# Altium PCB AL1000.PcbDoc (part 6 of 8) (continued)
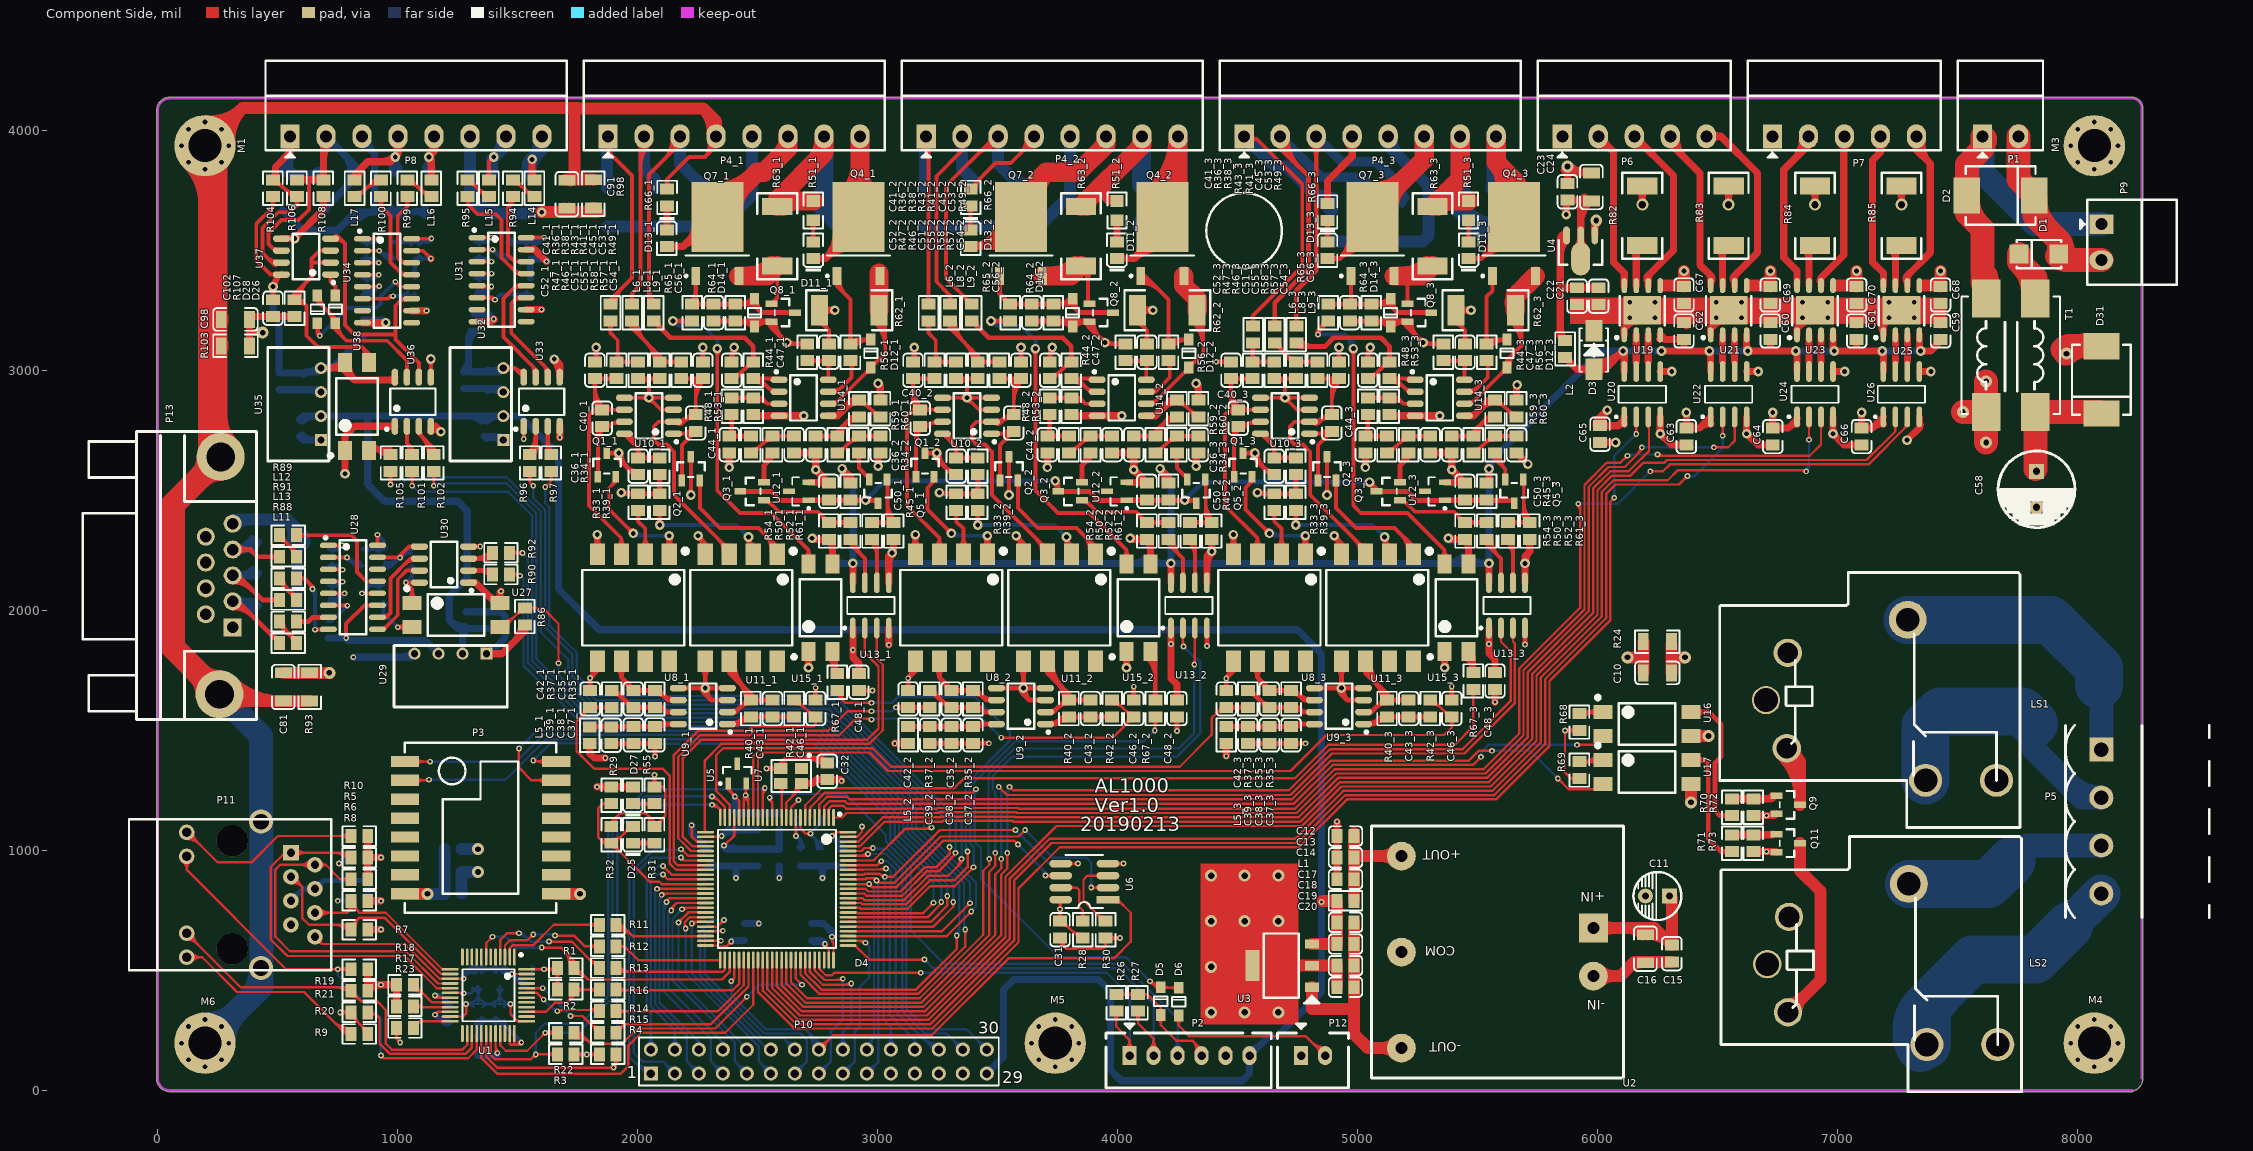
[diagram p0: Component Side view]
## Nets (pads, with @x,y where several pads share a name; then routed paths per layer and width w, separated by ;. In a path a pad name is that pad's centre, name@x,y a point inside that pad or via, vN(x,y) a via of type N, cw(c..) or ccw(c..) an arc to the next point about the centre after c; other vN are vias at no path point) (continued)
  Component Side w80: R62_3.2@5652.95,3278.98 cw(c5716.92,3278.98) 5671.69,3324.21 ; R62_3.2@5657.52,3251.42 5657.52,3310.04 Q4_3.3@5741.73,3394.25
NetD12_3_2: D12_3.2 Q4_3.1 R56_3.1 | length 653.5
  Component Side w16: R56_3.1@5527.46,3121.91 ccw(c5502.14,3147.23) 5537.95,3147.23 ccw(c5573.77,3147.23) R56_3.1@5548.44,3121.91 ; R56_3.1@5543.23,3112.24 cw(c5584.54,3071.26) 5584.54,3129.45 ; R56_3.1@5554.59,3100.97 cw(c5622.95,3033.16) D12_3.2@5622.95,3129.45 5560.98,3129.45 5542.95,3111.42 R56_3.1@5537.95,3111.42 5537.95,3307.95 5562.2,3332.2 Q4_3.1@5562.2,3394.25 ; Q4_3.1@5554.64,3367.98 cw(c5536.37,3349.72) 5562.2,3349.72 cw(c5588.04,3349.72) Q4_3.1@5569.77,3367.98 ; D12_3.2@5614.69,3121.19 ccw(c5594.74,3101.24) 5594.74,3129.45 ccw(c5594.74,3157.66) D12_3.2@5614.69,3137.71 ; D12_3.2@5622.95,3124.45 D12_3.2@5627.95,3124.45
NetD13_1_A: D13_1.A P4_1.6 Q7_1.4 | length 1337.9
  Component Side w30: D13_1.A@2121.77,3516.38 2187.87,3516.38 ; 2213.14,3541.65 ccw(c2151.92,3602.87) Q7_1.4@2238.5,3602.87 ; 2213.69,3542.2 cw(c2260.06,3495.83) Q7_1.4@2296.56,3550.31 ; Q7_1.4@2279.86,3525.39 ccw(c2239.35,3464.91) 2187.88,3516.38 ; Q7_1.4@2311.77,3640.28 2187.87,3516.38
  Component Side w80: Q7_1.4@2331.77,3640.28 2311.77,3640.28 2497.87,3826.38 2526.77,3826.38 2626.77,3926.38 P4_1.6@2626.77,3976.38 ; Q7_1.4@2331.77,3745.94 ccw(c2331.77,3952.77) 2478.02,3806.52 ; Q7_1.4@2400.04,3677.68 cw(c2522.84,3677.68) Q7_1.4@2436.01,3764.51 ; 2598.49,3898.09 ccw(c2530.2,3966.38) P4_1.6@2626.77,3966.38
NetD13_1_K: D13_1.K R66_1.1 | length 95.2
  Component Side w30: D13_1.K@2121.77,3586.46 2121.77,3680.73 R66_1.1@2122.46,3681.42
NetD13_2_A: D13_2.A P4_2.6 Q7_2.4 | length 1792
  Component Side w30: D13_2.A@3387.36,3516.38 3513.46,3516.38 Q7_2.4@3617.36,3620.28 ; D13_2.A@3387.36,3516.38 ccw(c3387.37,3635.65) Q7_2.4@3505.21,3617.26 ; 3422.41,3516.38 ccw(c3422.41,3630.18) Q7_2.4@3534.85,3612.63 ; 3457.46,3516.38 ccw(c3457.46,3624.71) Q7_2.4@3564.49,3608 ; Q7_2.4@3492.5,3516.38 ccw(c3492.5,3619.24) Q7_2.4@3594.13,3603.38 ; Q7_2.4@3527.55,3516.38 ccw(c3527.55,3613.77) Q7_2.4@3623.77,3598.75
  Component Side w80: Q7_2.4@3597.36,3640.28 3597.36,3722.36 3701.38,3826.38 ; Q7_2.4@3663.77,3693.5 cw(c3801.45,3726.29) 3701.37,3826.37 ; 3935.38,3925.38 ccw(c3894.38,3966.38) P4_2.6@3952.36,3966.38 ; P4_2.6@3952.36,3976.38 3952.36,3942.36 3836.38,3826.38 3701.38,3826.38
NetD13_2_K: D13_2.K R66_2.1 | length 207.8
  Component Side w16: D13_2.K@3376.87,3596.95 ccw(c3351.55,3622.27) 3387.36,3622.27 ccw(c3423.18,3622.27) D13_2.K@3397.85,3596.95 ; R66_2.1@3377.56,3675.89 cw(c3353.89,3652.22) 3387.36,3652.22 ; D13_2.K@3387.36,3586.46 3387.36,3680.73 R66_2.1@3388.05,3681.42 ; 3387.36,3648.91 cw(c3425.51,3648.91) R66_2.1@3398.54,3675.89
NetD13_3_A: D13_3.A P4_3.6 Q7_3.4 | length 1538.2
  Component Side w20: D13_3.A@4875,3466.34 4926.34,3466.34 ; D13_3.A@4890.18,3457.26 cw(c4912.09,3435.35) 4912.09,3466.34 cw(c4912.09,3497.32) D13_3.A@4890.18,3475.41 ; Q7_3.4@4965.87,3587.66 cw(c4826.82,3565.87) 4926.34,3466.34 ; Q7_3.4@4981.9,3521.9 cw(c5040.89,3462.92) Q7_3.4@5053.88,3545.32 ; Q7_3.4@4981.97,3521.97 ccw(c4922.99,3580.94) Q7_3.4@5005.39,3593.85 ; Q7_3.4@4982.95,3607.95 Q7_3.4@4982.95,3640.28 ; Q7_3.4@4985.63,3590.76 cw(c4874.91,3573.4) 4954.15,3494.15 cw(c5033.32,3414.93) Q7_3.4@5050.76,3525.56 ; Q7_3.4@5047.65,3505.81 ccw(c5025.75,3366.94) 4926.34,3466.34 ; Q7_3.4@5062.95,3640.28 5062.95,3602.95 4926.34,3466.34
  Component Side w80: Q7_3.4@5062.95,3745.94 ccw(c5062.95,3939.36) 5199.72,3802.6 ; Q7_3.4@5131.22,3677.68 cw(c5267.43,3677.68) Q7_3.4@5171.11,3773.99 ; Q7_3.4@5144.95,3747.83 5277.95,3880.83 P4_3.6@5277.95,3976.38
NetD13_3_K: D13_3.K R66_3.1 | length 186.9
  Component Side w20: D13_3.K@4865.92,3545.49 ccw(c4844.01,3567.4) 4875,3567.4 ccw(c4905.99,3567.4) D13_3.K@4884.08,3545.49 ; R66_3.1@4865.92,3616.89 cw(c4844.01,3594.98) 4875,3594.98 cw(c4905.99,3594.98) R66_3.1@4884.08,3616.89 ; D13_3.K@4875,3536.42 R66_3.1@4875,3625.96
NetD15_2: D15.2 L13.2 P13.3 | length 941
  Component Side w20: P13.3@312,2118.5 cw(c312,1999) 396.5,2083.5 ; P13.3@312,2138.5 cw(c312,2067.28) 362.36,2117.64 ; P13.3@312,2146 334,2146 436.14,2043.86 L13.2@507.95,2043.86 ; L13.2@498.88,2034.78 ccw(c476.97,2012.87) 476.97,2043.86 ccw(c476.97,2074.84) L13.2@498.88,2052.93
  Solder Side w30: P13.3@336.96,2145 ccw(c336.96,2228.47) 395.98,2169.45 cw(c339.38,2226.06) P13.3@339.38,2146 ; 363.91,2145 ccw(c363.91,2094.09) 327.91,2130.09 cw(c366.32,2091.68) 366.32,2146 cw(c366.32,2200.32) 327.91,2161.91 ccw(c368.73,2202.73) 368.73,2145 ; D15.2@405,2145 313,2145 P13.3@312,2146 411,2146 D15.2@420,2155
NetD16_2: D16.2 L12.2 P13.4 | length 758.8
  Component Side w20: P13.4@312,2254 386,2254 416.14,2223.86 L12.2@507.95,2223.86 ; P13.4@331.45,2234.55 cw(c378.39,2187.61) 378.39,2254 cw(c378.39,2320.39) P13.4@331.45,2273.45 ; L12.2@498.88,2214.78 ccw(c476.97,2192.87) 476.97,2223.86 ccw(c476.97,2254.84) L12.2@498.88,2232.93
  Solder Side w30: P13.4@327.91,2238.09 cw(c366.32,2199.68) 366.32,2254 cw(c366.32,2308.32) P13.4@327.91,2269.91 ; 364.33,2254 ccw(c364.33,2316.99) D16.2@418.69,2285.17 ; D16.2@392.6,2280.02 cw(c373.61,2269.39) 389,2254 ; D16.2@392.8,2300.32 cw(c312,2347.62) P13.4@312,2254 389,2254 ; D16.2@420,2285 389,2254
NetD17_2: D17.2 L11.2 P13.2 | length 741.6
  Component Side w20: P13.2@312,2010.5 cw(c312,1891.45) 396.18,1975.63 ; P13.2@312,2030.5 cw(c312,1959.74) 362.04,2009.77 ; P13.2@312,2038 333.81,2038 L11.2@507.95,1863.86 ; 475.63,1896.19 ccw(c507.95,1928.51) L11.2@507.95,1882.8
  Solder Side w16: P13.2@311.5,2038.5 P13.2@312,2038
  Solder Side w30: P13.2@312,2038 402,2038 D17.2@420,2020 ; P13.2@317.65,2038 cw(c317.65,1927.21) D17.2@395.98,2005.55 ; P13.2@327.91,2022.09 cw(c366.32,1983.68) 366.32,2038 cw(c366.32,2092.32) P13.2@327.91,2053.91
NetD18_2: D18.2 L15.2 P8.7 | length 458.8
  Component Side w16: L15.2@1369.51,3805.53 ccw(c1344.19,3830.85) 1380,3830.85 ccw(c1415.81,3830.85) L15.2@1390.49,3805.53 ; L15.2@1380,3795.04 1380,3870 ; v2@1388,3889.79 cw(c1360.68,3889.33) 1380,3870 ; v2@1399.79,3878 ccw(c1399.33,3850.68) 1380,3870 ; v2(1400,3890) 1380,3870
  Solder Side w50: D18.2@1392.99,3814.96 v2@1392.99,3880 ; v2@1401.5,3888.5 1451.18,3938.19 P8.7@1451.18,3976.38 ; v2@1405.64,3892.65 ccw(c1331.91,3966.38) P8.7@1436.18,3966.38
NetD19_2: D19.2 L14.2 P8.8 | length 625.6
  Component Side w30: L14.2@1560,3795.04 v2(1560,3880) ; 1560,3823.36 ccw(c1592.22,3823.36) L14.2@1569.44,3800.58
  Solder Side w50: D19.2@1542.99,3814.96 1542.99,3862.99 v2(1560,3880) ; D19.2@1542.99,3851.01 cw(c1588.99,3851.01) v2@1556.46,3883.54 ; D19.2@1553.43,3824.53 cw(c1671.47,3824.53) 1588,3908 ; P8.8@1586.41,3963.77 cw(c1492.76,3947.25) v2(1560,3880) ; P8.8@1601.18,3976.38 1601.18,3921.18 v2(1560,3880) ; v2(1560,3880) ccw(c1590.6,3849.39) 1552.24,3829.36 cw(c1590.6,3849.39) v2(1560,3880)
NetD20_2: D20.2 L17.2 P8.4 | length 747.4
  Component Side w30: L17.2@820,3795.04 820,3815 875,3870 970,3870 v2(990,3890) 1001.18,3901.18 P8.4@1001.18,3976.38 ; L17.2@833.94,3795.04 cw(c915.77,3795.04) 857.91,3852.91 ; 929.64,3870 ccw(c929.64,3950.36) 986.46,3893.54 ccw(c950.94,3929.06) P8.4@1001.18,3929.06 ; P8.4@983.5,3948.7 cw(c940.83,3906.02) 1001.18,3906.02 cw(c1061.54,3906.02) P8.4@1018.86,3948.7 ; v2@987.5,3894.33 ccw(c970.11,3924.46) 1003.71,3915.45
  Solder Side w30: D20.2@975.55,3845.12 ccw(c940.67,3880) 990,3880 ccw(c1039.33,3880) D20.2@1004.45,3845.12 ; D20.2@990,3821.1 v2(990,3890)
NetD21_2: D21.2 L16.2 P8.5 | length 525.6
  Component Side w30: v2@1126.46,3886.46 cw(c1093.79,3853.79) 1140,3853.79 ; v2@1126.46,3893.54 ccw(c1066.79,3953.21) P8.5@1151.18,3953.21 ; P8.5@1134.69,3947.59 cw(c1102.75,3911.18) 1151.18,3911.18 ; L16.2@1140,3795.04 1140,3880 v2(1130,3890) 1151.18,3911.18 ; P8.5@1151.18,3976.38 1151.18,3911.18 ; P8.5@1167.67,3947.59 ccw(c1199.61,3911.18) 1151.18,3911.18
  Solder Side w30: D21.2@1115.55,3845.12 ccw(c1080.67,3880) 1130,3880 ccw(c1179.33,3880) D21.2@1144.45,3845.12 ; D21.2@1130,3821.1 v2(1130,3890)
NetD22_1: D22.1 D23.2 P8.2 R106.2 R108.1 U37.6 | length 1636.6
  Component Side w16: 475.49,3513.29 ccw(c493.62,3531.42) U37.6@493.62,3505.78 ; U37.6@515.28,3500 488.78,3500 461.84,3526.94 461.84,3573.06 515.78,3627 587,3627 630,3670 630,3795.04
  Component Side w30: R106.2@580,3795.04 630,3795.04 R108.1@670,3795.04 ; R108.1@690,3795.04 R108.1@670,3795.04 ; 690,3879.03 cw(c788.53,3879.03) P8.2@718.86,3948.7 ; P8.2@701.18,3976.38 690,3965.2 690,3815.04 R108.1@670,3795.04
  Solder Side w30: D22.1@682.99,3662.76 822.99,3802.76 D23.2@822.99,3841.34 ; D22.1@682.99,3690 ccw(c682.99,3755.77) 729.5,3709.26 ; P8.2@701.18,3941.38 cw(c701.18,3856.88) 760.93,3916.63 ; P8.2@701.18,3976.38 822.99,3854.57 D23.2@822.99,3841.34 ; D22.1@703.43,3669.57 cw(c736.31,3669.57) D22.1@713.06,3692.82 ; P8.2@726.18,3966.38 ccw(c762.39,3966.38) 736.79,3940.77 ; 771.19,3750.95 ccw(c690.61,3831.54) 804.57,3831.54 ccw(c704.48,3831.54) 775.25,3902.31 ; D23.2@842.99,3821.34 D23.2@822.99,3841.34
NetD22_2: D22.2 D24.2 P8.1 R104.2 R106.1 U37.7 | length 1779.3
  Component Side w16: 451.97,3473.03 ccw(c493.62,3514.69) U37.7@493.62,3455.78 ; 479.28,3445.72 ccw(c493.62,3460.06) U37.7@493.62,3439.78 ; R104.2@480,3795.04 490,3795.04 560.08,3724.96 R106.1@580,3724.96 580,3690 ; R104.2@486.1,3780.2 cw(c486.1,3734.98) 518.08,3766.96 ; U37.7@489.54,3445.91 ccw(c479.67,3436.05) 479.67,3450 ccw(c479.67,3463.95) U37.7@489.54,3454.09 ; R104.2@500.94,3795.04 ccw(c527.34,3795.04) R104.2@508.67,3776.37 ; U37.7@515.28,3450 475,3450 435.84,3489.16 435.84,3593.73 502.11,3660 550,3660 580,3690 ; 524.98,3760.06 ccw(c573.9,3808.97) R106.1@573.9,3739.8 ; R106.1@552.3,3732.74 ccw(c573.9,3754.34) R106.1@573.9,3723.8 ; R106.1@569.69,3714.29 cw(c546.22,3690) 580,3690 ; R106.1@590.31,3714.29 ccw(c613.78,3690) 580,3690
  Component Side w30: R104.2@480.56,3800.58 ccw(c457.78,3823.36) 490,3823.36 ; R104.2@490,3795.04 490,3848.82 551.18,3910 ; P8.1@534.4,3947.85 cw(c500.12,3910) 551.18,3910 ; P8.1@551.18,3976.38 551.18,3910 ; P8.1@567.96,3947.85 ccw(c602.24,3910) 551.18,3910
  Solder Side w30: D24.2@522.99,3821.34 D24.2@522.99,3840 ; D24.2@525.55,3845.12 ccw(c463.68,3906.99) 551.18,3906.99 ; P8.1@533.5,3948.7 cw(c490.83,3906.02) 551.18,3906.02 cw(c611.54,3906.02) P8.1@568.86,3948.7 ; D24.2@540,3821.1 D24.2@540.24,3821.34 ; P8.1@551.18,3976.38 551.18,3832.28 D24.2@540.24,3821.34 ; D24.2@554.45,3806.65 cw(c589.9,3771.2) 589.9,3821.34 ; D24.2@554.45,3835.55 ccw(c588.76,3869.86) 588.76,3821.34 ; 633.09,3821.34 cw(c633.09,3771.2) D22.2@668.54,3806.65 ; 634.23,3821.34 ccw(c634.23,3869.86) D22.2@668.54,3835.55 ; D22.2@682.99,3823.86 680.47,3821.34 D24.2@540.24,3821.34
NetD25_K: D25.K R31.1 | length 187.3
  Component Side w20: D25.K@1980,1029.96 R31.1@2070,1029.96 ; D25.K@1995.18,1020.89 cw(c2017.09,998.98) 2017.09,1029.96 cw(c2017.09,1060.95) D25.K@1995.18,1039.04 ; R31.1@2054.82,1020.89 ccw(c2032.91,998.98) 2032.91,1029.96 ccw(c2032.91,1060.95) R31.1@2054.82,1039.04
NetD26_1: D26.1 D28.1 U36.7 | length 871.7
  Component Side w16: D28.1@660.68,3308.15 ccw(c694.08,3308.15) 670.47,3284.53 ; D28.1@665,3313.07 665,3290 740,3215 D26.1@740,3196.93 740,3170 ; D28.1@676.68,3308.15 ccw(c748.71,3308.15) 697.78,3257.22 ; 710.75,3244.25 cw(c668.36,3201.85) D26.1@728.32,3201.85 ; D26.1@733.45,3182.33 cw(c725.12,3170) 740,3170 ; D26.1@735.69,3192.01 ccw(c778.4,3192.01) 748.2,3161.8 ; D26.1@746.55,3182.33 ccw(c754.88,3170) 740,3170 ; D26.1@751.69,3192.01 ccw(c833.03,3192.01) 775.51,3134.49 ; U36.7@1033.91,2998.1 ccw(c1024.04,3007.97) 1037.99,3007.97 ccw(c1051.95,3007.97) U36.7@1042.08,2998.1 ; U36.7@1037.99,2973.7 1037.99,3042.01 956,3124 786,3124 740,3170
NetD26_2: D26.2 U37.1 | length 161.4
  Component Side w16: U37.1@715.91,3395.91 cw(c706.05,3386.05) 720,3386.05 cw(c733.95,3386.05) U37.1@724.09,3395.91 ; U37.1@720,3400 720,3370 740,3350 D26.2@740,3313.07 ; D26.2@731.74,3326.25 ccw(c711.79,3346.2) 740,3346.2 ccw(c768.21,3346.2) D26.2@748.26,3326.25
NetD27_K: D27.K R55.1 | length 225.3
  Component Side w10: D27.K@1980,1194.96 R55.1@2070,1194.96 ; D27.K@1998.71,1182.35 cw(c2029.16,1151.9) 2029.16,1194.96 cw(c2029.16,1238.02) D27.K@1998.71,1207.57 ; R55.1@2051.29,1182.35 ccw(c2020.84,1151.9) 2020.84,1194.96 ccw(c2020.84,1238.02) R55.1@2051.29,1207.57
NetD28_2: D28.2 U34.12 | length 638.2
  Component Side w16: D28.2@656.74,3183.75 cw(c636.79,3163.8) 665,3163.8 cw(c693.21,3163.8) D28.2@673.26,3183.75 ; D28.2@665,3178.8 ccw(c708.8,3178.8) v1@677.83,3147.83 ; D28.2@665,3196.93 665,3155 v1(675,3145) ; v1(990,3370) 1010.59,3349.41 U34.12@1057.72,3349.41
  Solder Side w16: v1(675,3145) 790,3260 910,3260 930,3280 930,3310 950,3330 950,3332.43 952.43,3332.43 v1(990,3370)
NetL6_1_1: L6_1.1 R36_1.2 R38_1.2 | length 497.3
  Component Side w16: L6_1.1@1876.28,3195.85 cw(c1850.96,3170.52) 1886.77,3170.52 cw(c1922.59,3170.52) L6_1.1@1897.26,3195.85 ; L6_1.1@1886.77,3206.34 1886.77,3156.38 1916.73,3126.42 R36_1.2@1916.73,3036.46 ; R36_1.2@1907.38,3046.95 ccw(c1884.82,3069.51) 1916.73,3069.51 ; R36_1.2@1911.77,3036.46 R36_1.2@1916.73,3036.46 ; 1916.73,3075.03 ccw(c1956.44,3075.03) 1928.36,3046.95 ccw(c1953.69,3072.27) 1953.69,3036.46 ccw(c1953.69,3000.64) R36_1.2@1928.36,3025.97 ; R38_1.2@1985.18,3025.97 ccw(c1959.86,3000.64) 1959.86,3036.46 ccw(c1959.86,3072.27) R38_1.2@1985.18,3046.95 ; R38_1.2@2001.77,3036.46 R36_1.2@1916.73,3036.46
NetL6_2_1: L6_2.1 R36_2.2 R38_2.2 | length 497.3
  Component Side w16: L6_2.1@3201.87,3195.85 cw(c3176.55,3170.52) 3212.36,3170.52 cw(c3248.18,3170.52) L6_2.1@3222.85,3195.85 ; L6_2.1@3212.36,3206.34 3212.36,3156.38 3242.32,3126.42 R36_2.2@3242.32,3036.46 ; R36_2.2@3232.98,3046.95 ccw(c3210.41,3069.51) 3242.32,3069.51 ; R36_2.2@3237.36,3036.46 R36_2.2@3242.32,3036.46 ; 3242.32,3075.03 ccw(c3282.04,3075.03) 3253.95,3046.95 ccw(c3279.28,3072.27) 3279.28,3036.46 ccw(c3279.28,3000.64) R36_2.2@3253.95,3025.97 ; R38_2.2@3310.77,3025.97 ccw(c3285.45,3000.64) 3285.45,3036.46 ccw(c3285.45,3072.27) R38_2.2@3310.77,3046.95 ; R38_2.2@3327.36,3036.46 R36_2.2@3242.32,3036.46
NetL6_3_1: L6_3.1 R36_3.2 R38_3.2 | length 398.9
  Component Side w16: R36_3.2@4552.46,3046.95 ccw(c4527.14,3072.27) 4562.95,3072.27 ccw(c4598.77,3072.27) R36_3.2@4573.44,3046.95 ; R36_3.2@4553.5,3036.46 R36_3.2@4562.95,3036.46 4562.95,3112.91 L6_3.1@4565,3114.96 ; L6_3.1@4554.51,3104.47 cw(c4534.13,3084.09) 4562.95,3084.09 ; 4562.95,3074.2 cw(c4605.76,3074.2) L6_3.1@4575.49,3104.47 ; R36_3.2@4567.91,3036.46 R38_3.2@4652.95,3036.46 ; R36_3.2@4579.54,3025.97 cw(c4604.87,3000.64) 4604.87,3036.46 cw(c4604.87,3072.27) R36_3.2@4579.54,3046.95 ; R38_3.2@4636.36,3025.97 ccw(c4611.04,3000.64) 4611.04,3036.46 ccw(c4611.04,3072.27) R38_3.2@4636.36,3046.95
NetL8_1_1: L8_1.1 R41_1.2 R43_1.2 | length 839.5
  Component Side w16: L8_1.1@1965.71,3206.34 ccw(c2011.33,3206.34) 1979.07,3174.08 ; L8_1.1@1967.78,3194.54 cw(c1953.94,3176.38) 1976.77,3176.38 ; L8_1.1@1976.77,3206.34 1976.77,3176.38 ; L8_1.1@1981.71,3206.34 ccw(c2065.96,3206.34) 2006.39,3146.76 ; L8_1.1@1985.76,3194.54 ccw(c1999.61,3176.38) 1976.77,3176.38 ; L8_1.1@1997.71,3206.34 ccw(c2120.59,3206.34) 2033.7,3119.45 ; 2038.41,3114.74 cw(c1960.12,3036.46) R43_1.2@2070.83,3036.46 ; 2065.72,3087.43 cw(c2014.75,3036.46) R43_1.2@2086.83,3036.46 ; R43_1.2@2084.7,3049.5 ccw(c2078.26,3061.38) 2091.77,3061.38 ; R43_1.2@2091.77,3036.46 2091.77,3061.38 ; 2093.04,3060.11 cw(c2069.38,3036.46) R43_1.2@2102.83,3036.46 ; R43_1.2@2098.84,3049.5 cw(c2105.29,3061.38) 2091.77,3061.38 ; R43_1.2@2108.36,3025.97 cw(c2133.69,3000.64) 2133.69,3036.46 cw(c2133.69,3072.27) R43_1.2@2108.36,3046.95 ; R43_1.2@2111.69,3036.46 R41_1.2@2181.77,3036.46 ; R41_1.2@2165.18,3025.97 ccw(c2139.86,3000.64) 2139.86,3036.46 ccw(c2139.86,3072.27) R41_1.2@2165.18,3046.95 ; 1976.77,3176.38 2091.77,3061.38
NetL8_2_1: L8_2.1 R41_2.2 R43_2.2 | length 839.5
  Component Side w16: L8_2.1@3291.3,3206.34 ccw(c3336.92,3206.34) 3304.66,3174.08 ; L8_2.1@3293.37,3194.54 cw(c3279.53,3176.38) 3302.36,3176.38 ; L8_2.1@3302.36,3206.34 3302.36,3176.38 ; L8_2.1@3307.3,3206.34 ccw(c3391.55,3206.34) 3331.98,3146.76 ; L8_2.1@3311.35,3194.54 ccw(c3325.2,3176.38) 3302.36,3176.38 ; L8_2.1@3323.3,3206.34 ccw(c3446.18,3206.34) 3359.29,3119.45 ; 3364,3114.74 cw(c3285.71,3036.46) R43_2.2@3396.43,3036.46 ; 3391.31,3087.43 cw(c3340.34,3036.46) R43_2.2@3412.43,3036.46 ; R43_2.2@3410.29,3049.5 ccw(c3403.85,3061.38) 3417.36,3061.38 ; R43_2.2@3417.36,3036.46 3417.36,3061.38 ; 3418.63,3060.11 cw(c3394.97,3036.46) R43_2.2@3428.43,3036.46 ; R43_2.2@3424.43,3049.5 cw(c3430.88,3061.38) 3417.36,3061.38 ; R43_2.2@3433.95,3025.97 cw(c3459.28,3000.64) 3459.28,3036.46 cw(c3459.28,3072.27) R43_2.2@3433.95,3046.95 ; R43_2.2@3437.28,3036.46 R41_2.2@3507.36,3036.46 ; R41_2.2@3490.77,3025.97 ccw(c3465.45,3000.64) 3465.45,3036.46 ccw(c3465.45,3072.27) R41_2.2@3490.77,3046.95 ; 3302.36,3176.38 3417.36,3061.38
NetL8_3_1: L8_3.1 R41_3.2 R43_3.2 | length 401.7
  Component Side w16: L8_3.1@4655,3114.96 4700,3069.96 4700,3063.81 ; L8_3.1@4661.1,3100.13 cw(c4661.1,3079.04) L8_3.1@4676.01,3093.95 ; L8_3.1@4675.94,3114.96 ccw(c4726.48,3114.96) 4690.74,3079.22 ; R43_3.2@4735.35,3051.22 cw(c4730.94,3094.74) 4700,3063.81 ; R43_3.2@4742.95,3036.46 4727.35,3036.46 4700,3063.81 ; R43_3.2@4759.54,3025.97 cw(c4784.87,3000.64) 4784.87,3036.46 cw(c4784.87,3072.27) R43_3.2@4759.54,3046.95 ; R43_3.2@4762.87,3036.46 R41_3.2@4832.95,3036.46 ; R41_3.2@4816.36,3025.97 ccw(c4791.04,3000.64) 4791.04,3036.46 ccw(c4791.04,3072.27) R41_3.2@4816.36,3046.95
NetL11_1: L11.1 R88.1 | length 204.7
  Component Side w20: R88.1@507.95,1953.86 507.95,1941.09 578.03,1871.01 L11.1@578.03,1863.86 ; R88.1@520.79,1947.76 ccw(c567.88,1947.76) 534.58,1914.46 ; 555.38,1893.66 cw(c531.69,1869.96) L11.1@565.2,1869.96 ; L11.1@557.91,1891.13 ccw(c578.03,1911.25) L11.1@578.03,1882.8
NetL12_1: L12.1 R89.1 | length 221.4
  Component Side w16: R89.1@507.95,2292.92 cw(c507.95,2252.81) 536.32,2281.17 ; R89.1@507.95,2313.86 507.95,2309.54 578.03,2239.46 L12.1@578.03,2223.86 ; R89.1@522.79,2307.76 ccw(c554.3,2307.76) 532.02,2285.47 ; 545.99,2271.5 cw(c504.45,2229.96) L12.1@563.2,2229.96
NetL13_1: L13.1 R91.1 | length 202.9
  Component Side w20: R91.1@507.95,2133.86 507.95,2122.05 578.03,2051.97 L13.1@578.03,2043.86 ; R91.1@520.79,2127.76 ccw(c565.55,2127.76) 533.9,2096.1 ; 554.7,2075.3 cw(c529.36,2049.96) L13.1@565.2,2049.96 ; L13.1@559.55,2070.45 ccw(c578.03,2088.93) L13.1@578.03,2062.8
NetL14_1: L14.1 R94.1 | length 231.5
  Component Side w16: R94.1@1470,3795.04 R94.1@1480,3795.04 1489.92,3795.04 L14.1@1560,3724.96 ; R94.1@1486.1,3780.2 cw(c1486.1,3735.17) 1517.95,3767.01 ; R94.1@1500.94,3795.04 ccw(c1527.53,3795.04) R94.1@1508.73,3776.23 ; 1531.92,3753.04 ccw(c1563.9,3785.02) L14.1@1563.9,3739.8 ; L14.1@1541.33,3743.63 cw(c1522.66,3724.96) L14.1@1549.06,3724.96
NetL15_1: L15.1 R95.1 | length 231.5
  Component Side w16: R95.1@1290,3795.04 1297.15,3795.04 1367.23,3724.96 L15.1@1380,3724.96 ; R95.1@1296.1,3780.2 cw(c1296.1,3741.86) 1323.21,3768.98 ; R95.1@1310.94,3795.04 ccw(c1344.22,3795.04) 1320.69,3771.5 ; 1337.19,3755 ccw(c1373.9,3791.71) L15.1@1373.9,3739.8 ; L15.1@1353.29,3738.9 cw(c1339.35,3724.96) L15.1@1359.06,3724.96
NetL16_1: L16.1 R99.1 | length 218.9
  Component Side w16: R99.1@1040,3795.04 1054.96,3795.04 1125.04,3724.96 L16.1@1140,3724.96 ; R99.1@1046.1,3780.2 cw(c1046.1,3723.01) 1086.55,3763.45 ; 1093.45,3756.55 ccw(c1133.9,3796.99) L16.1@1133.9,3739.8
NetL17_1: L17.1 R100.1 | length 281.4
  Component Side w16: L17.1@820,3724.96 834.96,3724.96 905.04,3795.04 R100.1@930,3795.04 ; L17.1@826.1,3739.8 ccw(c826.1,3796.99) 866.55,3756.55 ; 866.38,3756.38 cw(c923.9,3698.86) R100.1@923.9,3780.2 ; 893.69,3783.69 cw(c923.9,3753.49) R100.1@923.9,3796.2
NetLS1_1: LS1.1 P5.1 | length 1224.5
  Solder Side w100: 8090,1690 8100,1680 P5.1@8100,1420
  Solder Side w200: LS1.1@7292.99,1961.34 7888.66,1961.34 8090,1760 8090,1690
NetLS1_3: LS1.3 P5.2 | length 1349
  Solder Side w100: 7820,1530 7820,1420 8020,1220 P5.2@8100,1220 cw(c8100,1413.14) 7963.43,1276.57
  Solder Side w200: LS1.3@7367.8,1292.05 7367.8,1517.8 7430,1580 7770,1580 7820,1530
NetLS1_4: LS1.4 Q9.3 | length 708
  Component Side w50: LS1.4@6764.97,1401.83 cw(c6573.68,1210.53) 6844.21,1210.53 ; LS1.4@6789.06,1425.91 6844.21,1370.75 ; LS1.4@6790.35,1391.88 cw(c6793.09,1319.63) 6844.21,1370.75 ; LS1.4@6800.33,1437.18 cw(c6694.39,1331.24) 6844.21,1331.24 ; LS1.4@6823.09,1424.61 ccw(c6895.33,1421.87) 6844.21,1370.75 ; Q9.3@6844.21,1190 6844.21,1370.75
NetLS2_1: LS2.1 P5.3 | length 867.8
  Solder Side w100: 7725,955 7790,1020 P5.3@8100,1020
  Solder Side w200: LS2.1@7298.19,860.63 7630.63,860.63 7725,955
NetLS2_3: LS2.3 P5.4 | length 1519.9
  Solder Side w160: 7965,685 P5.4@8100,820
  Solder Side w200: LS2.3@7341.89,191.34 cw(c7657.07,191.34) 7434.2,414.2 ; LS2.3@7345.31,177.17 cw(c7479.91,246.06) 7372.99,352.99 ; LS2.3@7372.99,191.34 7372.99,352.99 ; 7965,685 7825,545 7565,545 7372.99,352.99
NetLS2_4: LS2.4 Q11.3 | length 925.7
  Component Side w50: LS2.4@6794.25,325.2 6930,460.94 6930,830 6844.21,915.79 Q11.3@6844.21,1030 ; LS2.4@6794.25,359.25 ccw(c6794.25,441.47) 6852.39,383.33 ccw(c6910.52,325.2) LS2.4@6828.31,325.2
NetM2_1: 
NetM3_1: M3.1 M3.2 M3.3 M3.4 M3.5 M3.6 M3.7 M3.8 M3.9
NetM4_1: M4.1 M4.2 M4.3 M4.4 M4.5 M4.6 M4.7 M4.8 M4.9
NetM5_1: M5.1 M5.2 M5.3 M5.4 M5.5 M5.6 M5.7 M5.8 M5.9
NetP6_2: P6.2 U19.8 | length 762.3
  Component Side w30: P6.2@6003.54,3941.38 cw(c6003.54,3856.88) 6063.29,3916.63 ; P6.2@6003.54,3976.38 6066.77,3913.15 6066.77,3451.38 6111.77,3406.38 U19.8@6111.77,3353.74 ; P6.2@6028.54,3966.38 ccw(c6064.76,3966.38) 6039.15,3940.77
NetP6_3: P6.3 U19.6 | length 892.9
  Component Side w30: P6.3@6153.54,3941.38 cw(c6153.54,3856.69) 6213.43,3916.57 ; P6.3@6153.54,3976.38 P6.3@6153.54,3976.38 6316.77,3813.23 6316.77,3501.38 6211.77,3396.38 ; P6.3@6178.54,3966.38 ccw(c6214.57,3966.38) 6189.09,3940.91 ; U19.6@6208.58,3373.43 cw(c6256.3,3373.43) 6222.56,3407.16 ; U19.6@6209.08,3371.71 cw(c6225.78,3382.37) 6211.77,3396.38 ; U19.6@6211.77,3353.74 6211.77,3396.38
NetP6_4: P6.4 U21.8 | length 841.8
  Component Side w30: P6.4@6303.54,3976.38 6303.54,3946.46 6426.77,3823.23 6426.77,3441.38 6471.77,3396.38 ; P6.4@6328.54,3966.38 ccw(c6436.99,3966.38) 6360.31,3889.69 ; 6460.99,3407.16 cw(c6427.25,3373.43) U21.8@6474.96,3373.43 ; U21.8@6471.77,3353.74 6471.77,3396.38 ; U21.8@6474.46,3371.71 ccw(c6457.77,3382.37) 6471.77,3396.38
NetP6_5: P6.5 U21.6 | length 943.9
  Component Side w30: P6.5@6453.54,3976.38 6513.62,3976.38 ; P6.5@6471.28,3958.76 cw(c6513.62,3916.7) 6513.62,3976.38 ; P6.5@6471.28,3994 ccw(c6513.62,4036.06) 6513.62,3976.38 ; U21.6@6568.58,3373.43 cw(c6616.3,3373.43) 6582.56,3407.16 ; U21.6@6569.08,3371.71 cw(c6585.78,3382.37) 6571.77,3396.38 ; U21.6@6571.77,3353.74 6571.77,3396.38 ; 6513.62,3976.38 6666.77,3823.23 6666.77,3491.38 6571.77,3396.38
NetP7_2: P7.2 U23.8 | length 786.9
  Component Side w30: 6817.19,3877.19 ccw(c6728.01,3966.38) P7.2@6854.13,3966.38 ; U23.8@6831.77,3353.74 6831.77,3416.38 6776.77,3471.38 6776.77,3836.77 6879.13,3939.13 P7.2@6879.13,3976.38
NetP7_3: P7.3 U23.6 | length 776.3
  Component Side w30: U23.6@6928.58,3373.43 cw(c6952.15,3373.43) 6935.49,3390.09 ; U23.6@6931.77,3353.74 6931.77,3386.38 7026.77,3481.38 7026.77,3974.02 P7.3@7029.13,3976.38 ; P7.3@7011.46,3948.7 cw(c6974.48,3911.73) 7026.77,3911.73 ; 7026.77,3900.32 cw(c7095.19,3900.32) P7.3@7046.81,3948.7
NetP7_4: P7.4 U25.8 | length 740.7
  Component Side w30: P7.4@7162.83,3947.43 cw(c7130.62,3910) 7180,3910 ; P7.4@7179.13,3976.38 7180,3975.51 7180,3910 ; U25.8@7191.77,3353.74 7191.77,3406.38 7146.77,3451.38 7146.77,3876.77 7180,3910 ; P7.4@7196.39,3948.29 ccw(c7232.92,3910) 7180,3910
NetP7_5: P7.5 U25.6 | length 988.6
  Component Side w30: U25.6@7288.58,3373.43 cw(c7336.3,3373.43) 7302.56,3407.16 ; U25.6@7289.08,3371.71 cw(c7305.78,3382.37) 7291.77,3396.38 ; U25.6@7291.77,3353.74 7291.77,3396.38 ; P7.5@7315.39,3945.49 cw(c7298.62,3920) 7329.13,3920 ; P7.5@7324.19,3967.13 ccw(c7396.61,3956.12) 7344.81,3904.32 ; P7.5@7329.13,3976.38 7329.13,3920 ; P7.5@7342.88,3945.49 ccw(c7359.65,3920) 7329.13,3920 ; P7.5@7353.85,3962.62 ccw(c7469.45,3945.04) 7386.77,3862.37 ; 7291.77,3396.38 7386.77,3491.38 7386.77,3862.36 7329.13,3920
NetP11_1: P11.1 R5.1 U1.17 | length 1828.2
  Component Side w10: P11.1@567.37,977.63 cw(c597.25,947.75) 597.25,990 cw(c597.25,1032.25) P11.1@567.37,1002.37 ; P11.1@574.45,970.55 cw(c621.39,923.61) 621.39,990 cw(c621.39,1056.39) P11.1@574.45,1009.45 ; 728.35,990 cw(c728.35,899.49) R5.1@792.35,963.49 ; 752.49,990 cw(c752.49,923.64) R5.1@799.42,970.56 ; 776.64,990 cw(c776.64,947.78) R5.1@806.49,977.63 ; R5.1@804.96,970 784.96,990 P11.1@555,990 530,990 470,930 470,630 540,560 1028.18,560 1162.31,425.87 U1.17@1218.54,425.87
NetP11_2: P11.2 R6.1 U1.16 | length 1740.2
  Component Side w10: P11.2@635.55,920.55 ccw(c588.61,873.61) 588.61,940 ccw(c588.61,1006.39) P11.2@635.55,959.45 ; P11.2@642.63,927.63 ccw(c612.75,897.75) 612.75,940 ccw(c612.75,982.25) P11.2@642.63,952.37 ; P11.2@679.47,927.46 cw(c700,916.93) 700,940 ; P11.2@679.47,952.54 ccw(c700,963.07) 700,940 ; R6.1@792.35,867.39 ccw(c761.9,836.94) 761.9,880 ccw(c761.9,923.06) R6.1@792.35,892.61 ; R6.1@794.96,890 R6.1@804.96,880 760,880 700,940 ; U1.16@1218.54,445.55 1168.08,445.55 1033.63,580 550,580 490,640 490,920 510,940 P11.2@655,940 700,940
NetP11_3: P11.3 R7.1 U1.14 | length 1351.6
  Component Side w10: P11.3@555,890 560,890 601.5,848.5 ; P11.3@557.44,872.67 cw(c562.36,837.72) 587.32,862.68 ; P11.3@558.84,862.77 cw(c565.86,812.87) 601.5,848.5 ; P11.3@572.5,890 ccw(c602.68,890) 581.34,868.66 ; P11.3@582.5,890 ccw(c636.82,890) 598.41,851.59 ; 728.35,690 cw(c728.35,599.49) R7.1@792.35,663.49 ; 752.49,690 cw(c752.49,623.64) R7.1@799.42,670.56 ; 776.64,690 cw(c776.64,647.78) R7.1@806.49,677.63 ; R7.1@804.96,670 804.96,684.96 R7.1@810,690 ; R7.1@804.96,693.94 ccw(c804.96,715.61) 820.28,700.28 ; R7.1@812.79,676.34 cw(c849.8,677.44) 823.62,703.62 ; R7.1@822.79,676.63 cw(c881.61,678.39) 840,720 ; U1.14@1218.54,484.92 1179.62,484.92 944.54,720 840,720 ; 601.5,848.5 601.5,718.5 630,690 R7.1@810,690 ; R7.1@810,690 840,720